# Altium PCB PCB1.PcbDoc
Units mil, origin at the board's own origin, x right, y up, seen from the top; angles counter-clockwise.
Board outline 3940.03 x 2600.03 mil, 2 copper layers (Top Layer, Bottom Layer); 112 components, 107 nets, 432 pads, 107 vias.
Unrouted connection lines stored in the file: 45.
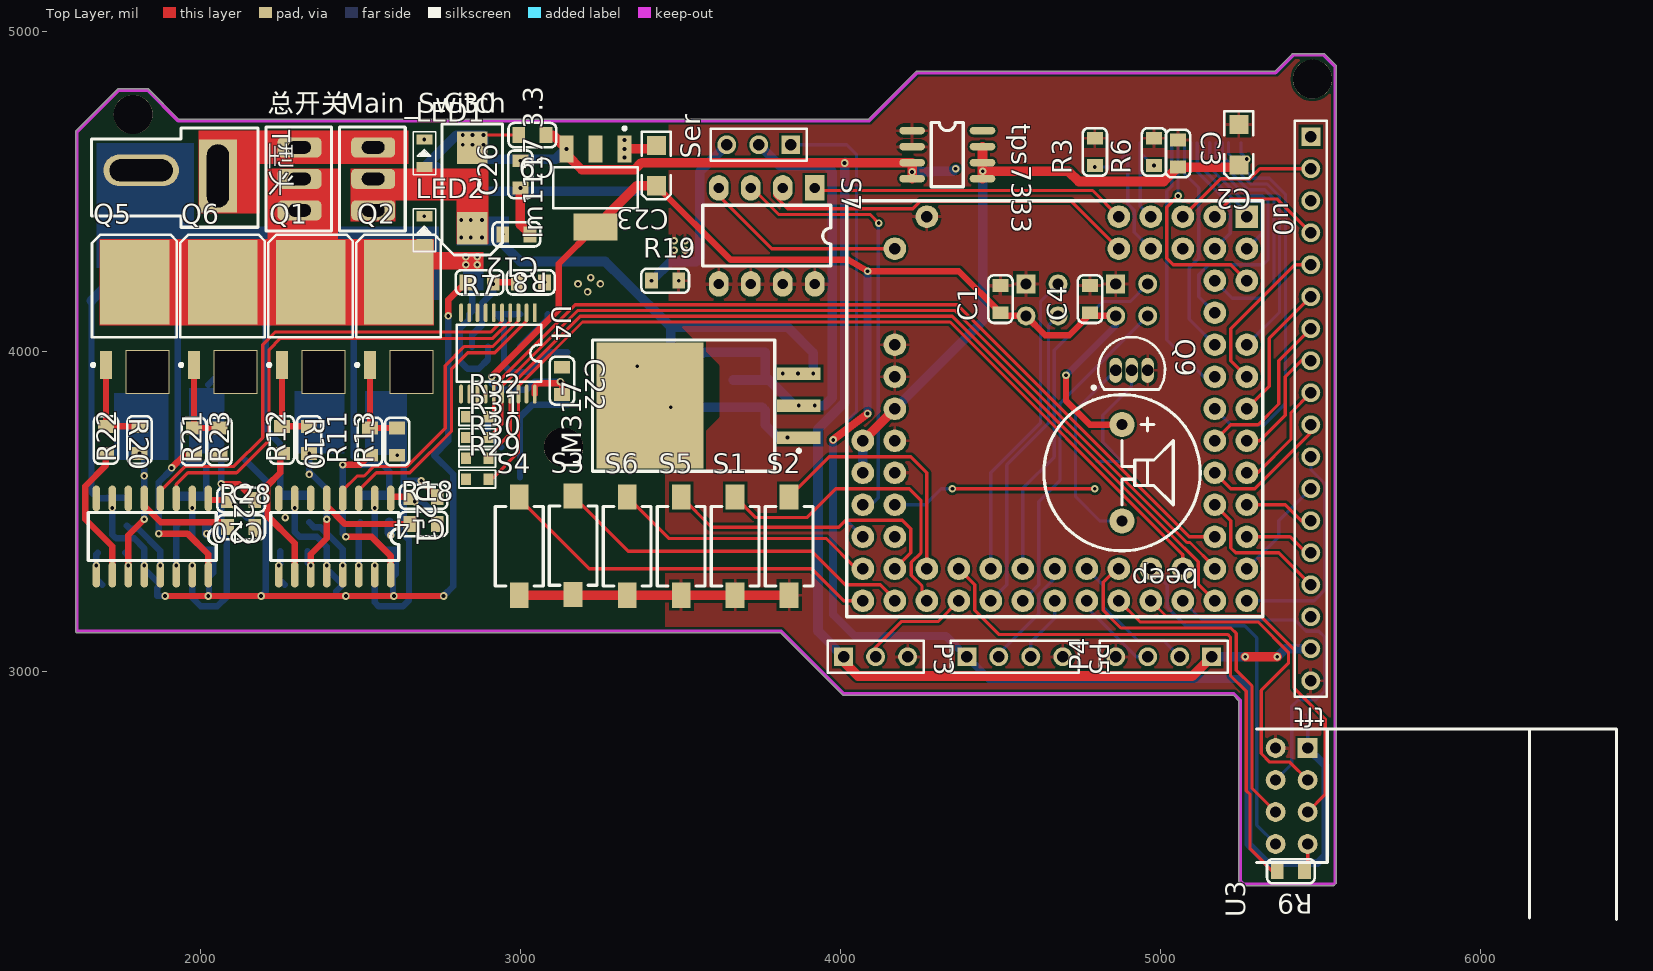
[diagram p0: Top Layer view]
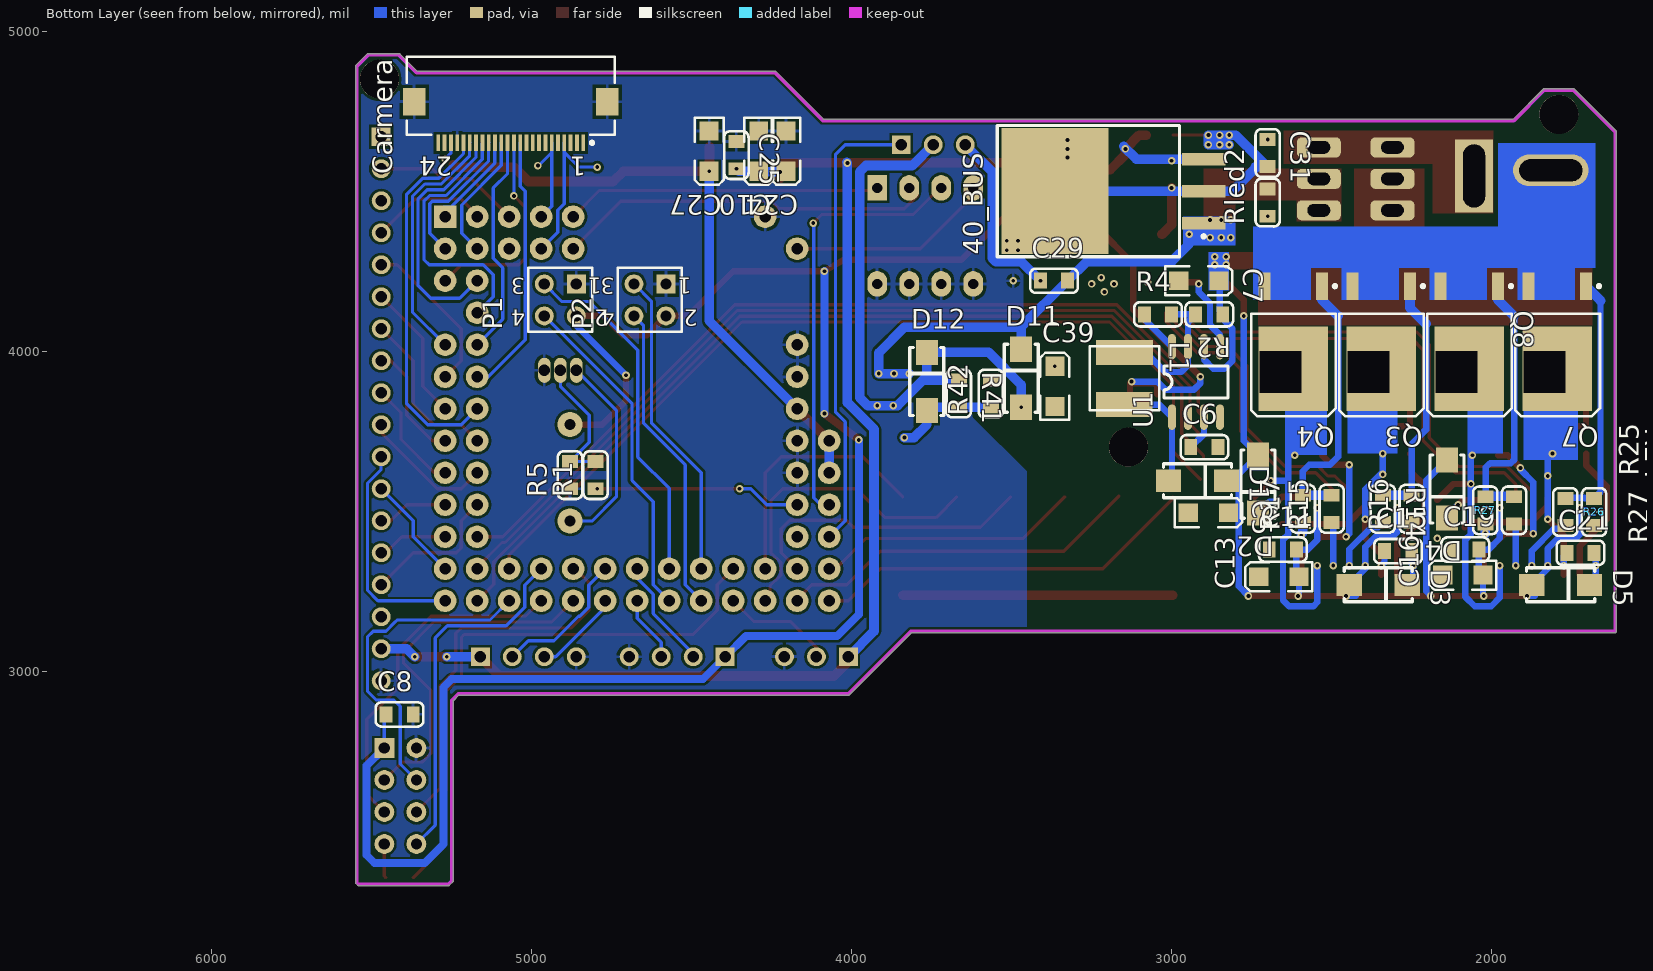
[diagram p1: Bottom Layer view, seen from below]

## Layer stack, top to bottom
Top Solder: solder mask 0.4, Solder Resist, Dk 3.5
Top Layer: signal copper 1.4
Dielectric 1: dielectric 12.6, FR-4, Dk 4.8
Bottom Layer: signal copper 1.4
Bottom Solder: solder mask 0.4, Solder Resist, Dk 3.5

## Board outline
1609.98,3125 1609.98,4685 cw(c1615,4685) 1611.47,4688.56 1611.45,4688.55 1741.45,4818.55 1741.44,4818.53 cw(c1745,4815) 1745,4820.02 1835,4820.02 cw(c1835,4815) 1838.56,4818.53 1838.55,4818.55 1932.08,4725.02 4087.92,4725.02 4236.45,4873.55 4236.44,4873.53 cw(c4240,4870) 4240,4875.02 5357.92,4875.02 5411.45,4928.55 5411.44,4928.53 cw(c5415,4925) 5415,4930.02 5510,4930.02 cw(c5510,4925) 5513.56,4928.53 5513.55,4928.55 5548.55,4893.55 5548.53,4893.56 cw(c5545,4890) 5550.02,4890 5550.02,2340 cw(c5545,2340) 5548.53,2336.44 5548.55,2336.45 5543.55,2331.45 5543.56,2331.47 cw(c5540,2335) 5540,2329.99 5260,2329.99 cw(c5260,2335) 5256.44,2331.47 5256.45,2331.45 5246.45,2341.45 5246.47,2341.44 cw(c5250,2345) 5244.98,2345 5244.98,2907.92 5227.92,2924.99 4010,2924.99 cw(c4010,2930) 4006.44,2926.47 4006.45,2926.45 3812.92,3119.99 1615,3119.99 cw(c1615,3125)

## Design rules (kind name [scope] priority, off if disabled: settings)
Clearance [All] p1: gap=4
ComponentClearance [All] p1: gap=6 collisioncheckmode=3 verticalgap=10 showdistances=FALSE
DiffPairsRouting [All] p1: maxlimit=10 minlimit=6 mostfreqgap=10 toplayer_minwidth=15 toplayer_maxwidth=15 toplayer_prefwidth=15 bottomlayer_minwidth=15 bottomlayer_maxwidth=15 bottomlayer_prefwidth=15 maxuncoupledlength=500
HoleSize [All] p1: absolutevalues=TRUE maxlimit=300 minlimit=1 maxpercent=80.000 minpercent=20.000
HoleToHoleClearance [All] p1: gap=6 allowstackedmicrovias=TRUE
MinimumSolderMaskSliver [All] p1: minsoldermaskwidth=3
PolygonConnect [All] p1: connectstyle=Relief reliefconductorwidth=10 reliefentries=4 polygonreliefangle="90 Angle" airgapwidth=10
RoutingVias [All] p1: holewidth=28 width=50 viastyle="Through Hole" minholewidth=28 minwidth=50 maxholewidth=28 maxwidth=50
SilkToSilkClearance [All] p1: silktosilkclearance=6
SilkToSolderMaskClearance [IsPad] p1: minsilkscreentomaskgap=0 clearancetoexposedcopper=TRUE
SolderMaskExpansion [All] p1: expansion=4
Width [All] p1: maxlimit=30 minlimit=10 preferedwidth=30
23 further rules are at their usual default settings.

## Components (designator, comment, footprint, x,y, rotation, side; value= is the part's Value field where it differs from the comment)
40_BUS "LM2940" TO-263-3 3145,4500 r0 bottom
beep "Bell" bell 4880,3620 r270 top
C1 "Cap" 0805-0C 4500,4120 r90 top
C2 "" 3216-A-TA 5245,4645 r270 top
C3 "Cap" 0805-0C 5055,4660 r270 top
C4 "Cap" 0805-0C 4780,4120 r90 top
C5 "" 3216-A-TA 2885,3495 r180 bottom
C6 "104" 0805-0C 2940,3700 r180 bottom
C7 "" 3216-A-TA 2915,4220 r180 bottom
C8 "Cap" 0805-0C 5455,2865 r180 bottom
C9 "Cap" 0805-0C 3080,4675 r180 top
C10 "" 3216-A-TA 4290,4625 r270 bottom
C11 "104" 0805-0C 2695,3380 r180 bottom
C12 "Cap" 0805-0C 3030,4365 r180 top
C13 "10uF" 3216-A-TA 2665,3295 r0 bottom
C14 "Cap" 0805-0C 2740,3545 r180 top
C15 "Cap" 0805-0C 2335,3375 r180 bottom
C16 "10uF" 3216-A-TA 2090,3300 r0 bottom
C19 "104" 0805-0C 2125,3380 r180 bottom
C20 "Cap" 0805-0C 2170,3535 r180 top
C21 "Cap" 0805-0C 1765,3370 r180 bottom
C22 "100nF" 0805-0C 3130,3950 r270 top
C23 "" 3216-A-TA 3425,4580 r270 top
C24 "47uF" 3216-A-TA 4205,4625 r270 bottom
C25 "Cap" 0805-0C 4360,4655 r270 bottom
C26 "Cap" 0805-0C 3000,4510 r90 top
C27 "10uF" 3216-A-TA 4445,4625 r270 bottom
C29 "Cap" 0805-0C 3410,4220 r180 bottom
C30 "Cap Pol" C7343 2850,4510 r90 top
C31 "4.7k" 0805-0R 2700,4661.61 r270 bottom
C39 "" 3216-A-TA 3365,3890 r90 bottom
Carmera "CL586-0555-2" FH12A-24S-0.5SH 5065,4715 r0 bottom
D1 "D Schottky" DO-214 3010,3595 r180 bottom
D2 "D Schottky" DO-214 2730,3675 r270 bottom
D3 "D Schottky" DO-214 2445,3270 r180 bottom
D4 "D Schottky" DO-214 2140,3660 r270 bottom
D5 "D Schottky" DO-214 1875,3270 r180 bottom
D11 "D Schottky" DO-214 3470,3825 r90 bottom
D12 "D Schottky" DO-214 3765,3815 r90 bottom
L1 "Inductor" L5X5 3050,4015 r270 bottom
LED1 "LED" 0805LED2 2700,4575 r90 top
LED2 "LED" 0805LED2 2700,4335 r90 top
LM317 "LM317" TO-263-3 3625,3830 r180 top
"lm1117 3.3" "AMS1117-3.3" "SOT-223 - 3" 3235,4510 r180 top
Main_Switch "开关" 乒乓开关5mm 2540,4440 r90 top
P1 "Header 2X2" HDR2X2 4860,4210 r0 bottom
P2 "Header 2X2" HDR2X2 4580,4210 r0 bottom
P3 "Header 3" HDR1X3 4010,3045 r0 top
P4 "Header 4" HDR1X4 5160,3045 r180 top
P5 "Header 4" HDR1X4 4395,3045 r0 top
Q1 "MOSFET-N" to252 2345,4130 r90 top
Q2 "MOSFET-N" to252 2620,4130 r90 top
Q3 "MOSFET-N" to252 2345,4030 r270 bottom
Q4 "MOSFET-N" to252 2620,4030 r270 bottom
Q5 "MOSFET-N" to252 1795,4130 r90 top
Q6 "MOSFET-N" to252 2070,4130 r90 top
Q7 "MOSFET-N" to252 1795,4030 r270 bottom
Q8 "MOSFET-N" to252 2070,4030 r270 bottom
Q9 "NPN" TO-226-AA 4910,3940 r270 top
R1 "510" 0805-0R 4800,3570 r90 bottom
R2 "0.22R" 0805-0R 2840,4115 r0 bottom
R3 "150" 0805-0R 4795,4580 r90 top
R4 "180R" 0805-0R 3085,4115 r180 bottom
R5 "10k" 0805-0R 4880,3570 r90 bottom
R6 "150" 0805-0R 4980,4580 r90 top
R7 "10k" 0805-0R 2830,4215 r0 top
R8 "1.2k" 0805-0R 3075,4215 r180 top
R9 "10k" 0805-0R 5450,2375 r180 top
R10 "Res1" 0805-0R 2255,3765 r270 top
R11 "Res1" 0805-0R 2530,3675 r90 top
R12 "Res1" 0805-0R 2340,3680 r90 top
R13 "Res1" 0805-0R 2615,3675 r90 top
R14 "Res1" 0805-0R 2340,3550 r270 bottom
R15 "Res1" 0805-0R 2500,3465 r90 bottom
R16 "Res1" 0805-0R 2250,3465 r90 bottom
R17 "Res1" 0805-0R 2590,3465 r90 bottom
R18 "Res1" 0805-0R 2655,3460 r0 top
R19 "Res" 0805-0R 3410,4220 r0 top
R20 "Res1" 0805-0R 1705,3765 r270 top
R21 "Res1" 0805-0R 1980,3675 r90 top
R22 "Res1" 0805-0R 1810,3680 r90 top
R23 "Res1" 0805-0R 2060,3675 r90 top
R24 "Res1" 0805-0R 1770,3540 r270 bottom
R25 "Res1" 0805-0R 1930,3460 r90 bottom
R26 "Res1" 0805-0R 1680,3455 r90 bottom
R27 "Res1" 0805-0R 2020,3460 r90 bottom
R28 "Res1" 0805-0R 2085,3450 r0 top
R29 "Res2" 0603R 2865.43,3600 r0 top
R30 "Res2" 0603R 2865.43,3665 r0 top
R31 "Res2" 0603R 2865.43,3730 r0 top
R32 "Res2" 0603R 2865.43,3795 r0 top
R41 "240" 0805-0R 3665,3909.9 r270 bottom
R42 "10k" 0805-0R 3565,3825 r90 bottom
Rled2 "4.7k" 0805-0R 2700,4421.61 r90 bottom
S1 "Header 2" SW-SMD1 3671.28,3237.54 r90 top
S2 "Header 2" SW-SMD1 3840,3237.54 r90 top
S3 "Header 2" SW-SMD1 3165,3240 r90 top
S4 "Header 2" SW-SMD1 2996.39,3237.54 r90 top
S5 "Header 2" SW-SMD1 3502.56,3237.54 r90 top
S6 "Header 2" SW-SMD1 3333.83,3237.54 r90 top
S7 "SW DIP-4" DIP-8 3920,4560 r270 top
Ser "Header 3" HDR1X3 3845,4645 r180 top
tft "Header 18" HDR1X18 5470,4670 r270 top
tps7333 "TPS7333" sop8 4225,4690 r0 top
T型头 "Header 2" "T HEAD" 1815,4565 r0 top
u0 "Component_1" K60_100 5270,4420 r270 top
U1 "MC34063" sop8 3000,3795 r90 bottom
U2-1 "HIP4082" SOP-16 2595,3540 r270 top
U2-2 "HIP4082" SOP-16 2025,3540 r270 top
U3 "NRF24L01" NRF24L01 5360,2760 r180 top
U4 "74lvc245" TSSOP20 3045,4120 r270 top
总开关 "*" 乒乓开关5mm 2310,4440 r90 top

## Footprints (in the part's own frame and the unit in brackets; to place one, negate y for a bottom-side part, rotate by r counter-clockwise, add the part's x,y. Pads: shape width x height; smd on the part's side, far side on the other; paste and mask are expansions set on the pad)
0603R [mm]
  rect 0.762x0.9 smd: 1(-0.9,0)
  rect 0.8x0.9 smd: 2(0.9,0)
  silkscreen extent -1.45,-0.7 1.45,0.7, body extent -0.85,-0.4 0.85,0.4, height 0.56
0805-0C [mil]
  rect 40x50 smd: 1(0,0) 2(85,0)
  silkscreen extent -32,-38 117,38, body extent 3,-25 82,25, height 30
0805-0R [mil]
  rect 40x50 smd: 1(0,0) 2(85,0)
  silkscreen extent -32,-38 117,38, body extent 3,-25 82,25, height 30
0805LED2 [mm]
  rect 0.8x1.27 smd: 1(0,0) 2(2.2,0)
  silkscreen extent -0.6,-0.89 2.8,0.89, body extent 0.09,-0.62 2.11,0.64, height 1.1
3216-A-TA [mm]
  rect 1.524x1.5 smd: 1(1.6,0) 2(-1.6,0)
  silkscreen extent -2.67,-1.14 2.67,1.14, body extent -1.7,-0.79 1.7,0.89, height 1.71
bell [mm]
  round 2 hole 0.85: 1(-3.825,0) 2(3.825,0)
  silkscreen extent -6.2,-6.2 6.2,6.2, body extent -9.71,-6.13 5.75,5.87, height 9.65
C7343 [mm] "D型"
  rect 2.6x2.4 smd: 1(-3.202,0.007) 2(3.198,0.007)
  silkscreen extent -5.33,-2.39 5.08,2.41, body extent -3.65,-2.12 3.65,2.18, height 2.9
DIP-8 [mil]
  rect 80x62 / inner rect 100x50 / far side rect 80x62 hole 32: 1(50,0)
  oval 80x62 / inner oval 100x50 / far side oval 80x62 hole 32: 2(50,-100) 3(50,-200) 4(50,-300) 5(350,-300) 6(350,-200) 7(350,-100) 8(350,0)
  silkscreen extent 104,-350 294,50, body extent 37,-334 360,31, height 148
DO-214 [mm]
  rect 2x1.75 smd: 1(0,0) 2(4.6,0)
  silkscreen extent -0.4,-1.35 5,1.35, body extent -0.2,-1.34 4.91,1.33, height 2.12
FH12A-24S-0.5SH [mm]
  rect 0.3x1.3 smd: 1(-5.75,1.625) 2(-5.25,1.625) 3(-4.75,1.625) 4(-4.25,1.625) 5(-3.75,1.625) 6(-3.25,1.625) 7(-2.75,1.625) 8(-2.25,1.625) 9(-1.75,1.625) 10(-1.25,1.625) 11(-0.75,1.625) 12(-0.25,1.625) 13(0.25,1.625) 14(0.75,1.625) 15(1.25,1.625) 16(1.75,1.625) 17(2.25,1.625) 18(2.75,1.625) 19(3.25,1.625) 20(3.75,1.625) 21(4.25,1.625) 22(4.75,1.625) 23(5.25,1.625) 24(5.75,1.625)
  rect 1.8x2.2 smd: 25(-7.65,-1.625) 26(7.65,-1.625)
  silkscreen extent -8.25,-5.2 8.25,1.75
HDR1X3 [mm] "Connector; Header; 3 Position"
  rect 1.5x1.5 hole 0.9: 1(0,0)
  round 1.5 hole 0.9: 2(2.54,0) 3(5.08,0)
  silkscreen extent -1.27,-1.27 6.35,1.27, body extent -1.27,-1.32 6.35,1.22, height 8.54
HDR1X4 [mm] "Connector; Header; 4 Position"
  rect 1.5x1.5 hole 0.9: 1(0,0)
  round 1.5 hole 0.9: 2(2.54,0) 3(5.08,0) 4(7.62,0)
  silkscreen extent -1.27,-1.27 8.89,1.27, body extent -1.26,-1.27 8.9,1.27, height 8.54
HDR1X18 [mm] "Connector; Header; 18 Position"
  rect 1.5x1.5 hole 0.9: 1(0,0)
  round 1.5 hole 0.9: 2(2.54,0) 3(5.08,0) 4(7.62,0) 5(10.16,0) 6(12.7,0) 7(15.24,0) 8(17.78,0) 9(20.32,0) 10(22.86,0) 11(25.4,0) 12(27.94,0) 13(30.48,0) 14(33.02,0) 15(35.56,0) 16(38.1,0) 17(40.64,0) 18(43.18,0)
  silkscreen extent -1.27,-1.27 44.45,1.27, body extent -1.27,-1.27 44.45,1.27, height 8.54
HDR2X2 [mm] "Connector; Header; 2x2 Position"
  rect 1.5x1.5 hole 0.9: 1(0,0)
  round 1.5 hole 0.9: 2(0,2.54) 3(2.54,0) 4(2.54,2.54)
  silkscreen extent -1.27,-1.27 3.81,3.81
K60_100 [mm]
  round 1.8 hole 0.9: 3.3V(15.24,-27.94) 3.3V(17.78,-30.48) 3.3V(20.32,-30.48) A4(22.86,-30.48) A5(22.86,-27.94) A12(25.4,-30.48) A13(25.4,-27.94) A14(27.94,-30.48) A15(27.94,-27.94) A16(30.48,-30.48) A17(30.48,-27.94) A19(27.94,-22.86) B0(27.94,-25.4) B1(30.48,-25.4) B2(27.94,-20.32) B3(30.48,-22.86) B9(27.94,-17.78) B10(30.48,-20.32) B11(30.48,-17.78) B16(27.94,-15.24) B17(30.48,-15.24) B18(27.94,-12.7) B19(30.48,-12.7) B20(30.48,-10.16) B21(27.94,-10.16) B22(30.48,-7.62) B23(27.94,-7.62) C0(30.48,-5.08) C1(27.94,-5.08) C2(30.48,-2.54) C3(27.94,-2.54) C4(25.4,-2.54) C5(22.86,-2.54) C6(25.4,0) C7(22.86,0) C8(27.94,0) C9(30.48,0) C10(20.32,-2.54) C11(20.32,0) C12(17.78,0) C13(17.78,-2.54) C14(15.24,0) C15(12.7,0) C16(15.24,-2.54) C17(10.16,0) D0(12.7,-2.54) D1(5.08,0) D2(10.16,-2.54) D3(2.54,-2.54) D5(2.54,0) D6(7.62,-2.54) D7(5.08,-2.54) E0(0,-2.54) E1(2.54,-5.08) E2(0,-5.08) E3(2.54,-7.62) E4(0,-7.62) E5(2.54,-10.16) E6(0,-10.16) E26(2.54,-27.94) GND(0,-25.4) GND(10.16,-27.94) GND(12.7,-27.94) GND(17.78,-27.94) GND(20.32,-27.94)
  rect 1.8x1.8 hole 0.9: D4(0,0)
  silkscreen extent -1.27,-31.75 31.75,1.27
L5X5 [mil]
  rect 78.74x177.17 smd: 1(19,-97) 2(182,-98)
  silkscreen extent 0,-206 200,11, body extent 3,-193 195,-1, height 114
NRF24L01 [mil]
  round 62 hole 35: 1(0,0) 3(0,100) 4(-100,100) 5(0,200) 6(-100,200) 7(0,300) 8(-100,300)
  rect 62x62 hole 35: 2(-100,0)
  silkscreen extent -1065,-59 59,535
sop8 [mil]
  oval 80x24 smd: 1(-1,-1) 2(-1,-51) 3(-1,-101) 4(-1,-151) 5(219,-151) 6(219,-101) 7(219,-51) 8(219,-1)
  silkscreen extent 59,-176 159,24, body extent -9,-174 229,24, height 63
SOP-16 [mil]
  oval 80x24 smd: 1(0,0) 2(0,-50) 3(0,-100) 4(0,-150) 5(0,-200) 6(0,-250) 7(0,-300) 8(0,-350) 9(238.5,-350) 10(238.5,-300) 11(238.5,-250) 12(238.5,-200) 13(238.5,-150) 14(238.5,-100) 15(238.5,-50) 16(238.5,0)
  silkscreen extent 44,-375 194,25
"SOT-223 - 3" [mm] "SOT-223/SC-73; 4 Leads; Body 6.7 x 7.3 mm, inc. leads (LxW max)"
  rect 1.1x2.15 smd: 1(-2.3,-3.1) 2(0,-3.1) 3(2.3,-3.1)
  rect 3.5x2.15 smd: 2(0,3.1)
  silkscreen extent -3.35,-4.85 3.35,1.63, body extent -3.25,-3.58 3.25,3.38, height 1.65
SW-SMD1 [mm]
  rect 2x1.5 smd: 1(0,0) 2(7.8,0)
  silkscreen extent 0.73,-1.9 7.03,1.9, body extent -0.06,-1.94 7.83,1.91, height 2.5
"T HEAD" [mm]
  oval 6x2.5 hole 1.75 slot 5 at 0 deg: 1(0,0)
  rect 3x5.8 hole 1.75 slot 5 at 90 deg: 2(6.096,-0.446)
  silkscreen extent -3.94,-4.51 9.27,3.36
to252 [mm] "D-PAK  / SOT-428"
  rect 2.2x0.95 smd: 1(-4.4,2.28) 3(-4.4,-2.28)
  rect 6.7x5.5 smd: 2(2.15,0)
  silkscreen extent -4.52,-3.35 5.94,3.43, body extent -4.47,-3.3 4.78,3.3, height 2.31
TO-226-AA [mm] "TO, Flat Index; 3 In-Line, Axial Leads; Body Dia. 4.8mm; Leads 0.55 x 0.51 mm (max)"
  oval 2x1 hole 0.9: 1(0,-1.27) 2(0,0) 3(0,1.27)
  silkscreen extent -2.65,-3.13 1.52,2.65, body extent -2.66,-2.66 1.52,2.66, height 5.33
TO-263-3 [mm] "D2PAK936"
  rect 3.45x1 smd: 1(-6.225,2.54) 2(-6.225,0) 3(-6.225,-2.54)
  rect 8.5x10 smd: 2(5.588,0)
  silkscreen extent -6.35,-5.21 10.16,5.21, body extent -6.82,-5.05 8.85,4.95, height 4.88
TSSOP20 [mm]
  rect 1.5x0.3 smd: 1(0,0)
  oval 1.5x0.3 smd: 2(0,-0.65) 3(0,-1.3) 4(0,-1.95) 5(0,-2.6) 6(0,-3.25) 7(0,-3.9) 8(0,-4.55) 9(0,-5.2) 10(0,-5.85) 11(6.454,-5.85) 12(6.454,-5.2) 13(6.454,-4.55) 14(6.454,-3.9) 15(6.454,-3.25) 16(6.454,-2.6) 17(6.454,-1.95) 18(6.454,-1.3) 19(6.454,-0.65) 20(6.454,0)
  silkscreen extent 0.97,-6.2 5.49,0.51, body extent -0.05,-6.22 6.5,0.38, height 1.2
乒乓开关5mm [mm]
  rrect50% 1.6x3.5 hole 1 slot 1.8 at 90 deg: 1(5,0) 2(2.5,0) 3(0,0)
  silkscreen extent -1.65,-2.54 6.6,2.67

## Part data
beep: "Electrical Bell"
C1 C3 C4 C8 C9 C12 C14 C15 C20 C21 C25 C26 C29: "Capacitor"
C2 C5 C7 C10 C23 C30 C39: library part Cap, "Polarized Capacitor (Radial)"
C6: library part 普通电容, "Capacitor"
C11 C13 C16 C19: library part C
C22: library part Cap, "Capacitor"
C24 C27: library part C, "有极性电容"
C31 R1 R3 R5 R6 Rled2: library part Res
Carmera: "FH12 Series, \"Flip-Lock\" SMT/ZIF FFC/FPC Connector - 0.5mm Spaced Top Contact"
D1 D2 D3 D4 D5 D11 D12: "Schottky Diode"
LED1 LED2: "发光二极管"
"lm1117 3.3": library part AMS1117
Main_Switch 总开关: library part 乒乓开关
P1 P2: "Header, 2-Pin, Dual row"
P3 Ser: "Header, 3-Pin"
P4 P5: "Header, 4-Pin"
Q1 Q2 Q3 Q4 Q5 Q6 Q7 Q8: "N-Channel MOSFET"
Q9: "NPN Bipolar Transistor"
R2 R4 R7 R8 R9 R41 R42: library part RES
R10 R11 R12 R13 R14 R15 R16 R17 R18 R19 R20 R21 R22 R23 R24 R25 R26 R27 R28 R29 R30 R31 R32: "Resistor"
S1 S2 S3 S4 S5 S6 T型头: "Header, 2-Pin"
S7: "DIP Switch, 4 Position, SPST"
tft: "Header, 18-Pin"
U1 U2-1 U2-2: library part Component_1

## Free pads (board coordinates)
  round 122.05 hole 122.05: 0(1790,4740) 1(5475,4850) 3(3135,3700)
  rect 137.8x137.8 hole 129.92 square: 4(1835,3935) 5(2110,3935) 6(2385,3935) 7(2660,3935)

## Via types
v1: diameter 23.62, hole 11.81, Top Layer to Bottom Layer, 107 vias

## Nets (pads, with @x,y where several pads share a name; then routed paths per layer and width w, separated by ;. In a path a pad name is that pad's centre, name@x,y a point inside that pad or via, vN(x,y) a via of type N, cw(c..) or ccw(c..) an arc to the next point about the centre after c; other vN are vias at no path point)
3.3V_BUS: "lm1117 3.3.2" beep.1 C1.1 C4.1 C8.1 C22.2 C23.1 P1.2 P2.2 P5.1 U3.2 U4.20 | length 7195.6
  Top Layer w20: v1(2910,3920) 3120,4130 3120,4272.95 3235,4387.95 ; U4.20 3045,3890 3055,3900 3130,3900 C22.2 ; C23.1 3657.01,4285 4025,4285 v1(4085,4250) 4370,4250 C1.1 4510,4110 P2.2 4640,4050 4715,4050 4780,4115 C4.1 4790,4110 P1.2 ; v1(4705,3925) 4705,3845 4779.41,3770.59 beep.1
  Top Layer w25: v1(3977.5,3722.5) v1(4085,3805)
  Top Layer w30: 3235,4387.95 3364.06,4517.01 C23.1 ; 3235,4632.05 3235,4638
  Bottom Layer w10: C8.1 5460,2860 U3.2
  Bottom Layer w20: v1(2910,3920) 2910,3900 2930,3880 3020,3880 3045,3905 v1(3125,3905) ; v1(4705,3925) 4860,4080 P1.2
  Bottom Layer w25: v1(3977.5,3722.5) 3977.5,3177.5 4045,3110 4330,3110 P5.1 4465,2975 5250,2975 5275.5,2949.5 5275.5,2459.5 5335,2400 5490,2400 5515,2425 5515,2705 U3.2 ; v1(4085,3805) v1(4085,4250)
3.3V_MCU_IN: C2.1 C3.2 C27.1 Carmera.22 tps7333.5 tps7333.6 tps7333.7 u0.3.3V | length 2090.6
  Top Layer w30: u0.3.3V@4070,3720 u0.3.3V@4170,3820 ; tps7333.5 tps7333.6 tps7333.7 ; v1(4445,4562.01) 4712.99,4562.01 4745,4530 5010,4530 C3.2 5237.99,4575 C2.1
  Bottom Layer w10: Carmera.22 5252.01,4617.99 v1(5270,4600)
  Bottom Layer w30: u0.3.3V@4070,3620 u0.3.3V@4070,3720 ; u0.3.3V@4170,3820 4445,4095 v1(4445,4562.01)
5V_BUS: 40_BUS.3 "lm1117 3.3.3" C9.1 C10.1 C24.1 C25.2 C26.2 P3.1 P4.1 tft.17 tps7333.3 tps7333.4 | length 4807.6
  Top Layer w30: C9.1 3101.5,4675 v1(3144.45,4632.05) 3144.45,4614 3191.72,4566.72 3356.73,4566.72 3379.01,4589 tps7333.3 tps7333.4 ; P3.1 4010,3030 4055,2985 5100,2985 P4.1 ; v1(5265,3045) v1(5365,3045)
  Bottom Layer w30: 40_BUS.3 3110,4600 v1@3150,4640 ; P3.1 3930,3125 3930,3756.26 4013,3839.26 v1(4013,4588) v1@4015,4590 ; v1(4224,4560) 4287.99,4560 C10.1 4352.01,4562.01 v1(4360,4570) ; P4.1 v1(5265,3045) ; v1(5365,3045) 5390,3070 tft.17
  other v1: 3000,4595
5V_SER: C39.1 D11.1 D12.2 LM317.2 R41.1 Ser.2 | length 1821.5
  Bottom Layer w30: v1(3470,3825) 3470,3895 3571.1,3996.1 D12.2 3765,3921.35 3776.45,3909.9 ; R41.1 3776.45,3909.9 ; Ser.2 3810,4580 3955,4580 3975,4560 3975,3855 3950,3830 3856.35,3830 3776.45,3909.9
  other v1: 3870,3830 3920,3830 3365,3952.99
BATTERY7.2: Main_Switch.1 T型头.2 总开关.1
D0: Carmera.11 u0.D0 | length 820.1
  Bottom Layer w10: Carmera.11 5035.47,4515.47 5020,4500 5020,4035 5135,3920 u0.D0
D1: Carmera.12 u0.D1 | length 654.9
  Top Layer w10: v1(5055,4485) 5020,4450 5020,4290 5040,4270 5220,4270 u0.D1
  Bottom Layer w10: v1(5055,4485) 5055,4515 5055.16,4514.84 Carmera.12
D2: Carmera.13 u0.D2 | length 695.3
  Bottom Layer w10: Carmera.13 5074.84,4555.16 5120,4510 5120,4290 5090,4260 5090,4100 u0.D2
D3: Carmera.14 u0.D3 | length 402.4
  Bottom Layer w10: Carmera.14 5094.53,4580.47 5218.43,4456.57 5218.43,4368.43 u0.D3
D4: Carmera.15 u0.D4 | length 312.7
  Bottom Layer w10: Carmera.15 5114.99,4650.24 5114.99,4587.73 5252.72,4450 5275,4450 5275,4425 u0.D4
D5: Carmera.16 u0.D5 | length 457.4
  Bottom Layer w10: Carmera.16 5134.68,4650.24 5134.68,4593.5 5259.74,4468.43 5310.82,4468.43 5318.43,4460.82 5318.43,4368.43 u0.D5
D6: Carmera.17 u0.D6 | length 845.7
  Bottom Layer w10: Carmera.17 5154.36,4650.24 5154.36,4599.27 5267.2,4486.43 5318.27,4486.43 5336.43,4468.27 5336.43,4286.43 5320,4270 5151.51,4270 5120,4238.49 5120,4170 u0.D6
D7: Carmera.18 u0.D7 | length 775.1
  Bottom Layer w10: u0.D7 5225,4165 5315,4165 5354.43,4204.43 5354.43,4475.73 5325.73,4504.43 5274.66,4504.43 5174.05,4605.04 5174.05,4650.24 Carmera.18
DB0: tft.12 u0.C8 | length 332.8
  Bottom Layer w10: u0.C8 5370,3420 5370,3470 tft.12
DB1: tft.11 u0.C9 | length 691.2
  Bottom Layer w10: u0.C9 5480.14,3220 5512.53,3252.38 5512.53,3587.62 5470,3630.14 tft.11
DB2: tft.10 u0.C10 | length 418.2
  Top Layer w10: u0.C10 5220,3570 5295,3570 5470,3745 tft.10
DB3: tft.9 u0.C11 | length 352.4
  Top Layer w10: u0.C11 5303.46,3620 5408,3724.54 5408,3808 tft.9
DB4: tft.8 u0.C12 | length 373.8
  Top Layer w10: u0.C12 5310,3720 5390,3800 5390,3920 5440,3970 tft.8
DB5: tft.7 u0.C13 | length 524.1
  Top Layer w10: u0.C13 5220,3770 5305,3770 5370,3835 5370,3970 tft.7
DB6: tft.6 u0.C14 | length 432.8
  Top Layer w10: u0.C14 5340,3890 5340,4040 tft.6
DB7: tft.5 u0.C15 | length 503.6
  Top Layer w10: u0.C15 5220,3970 5220,4070 5420,4270 tft.5
GE1: U2-1.3 U4.2 | length 908.2
  Top Layer w10: U2-1.3 2495,3565 2550,3620 2654.5,3620 2785,3750.5 2785,3945 2835,3995 2920,3995 3019.41,4094.41 U4.2
GE2: U2-1.4 U4.3 | length 933.7
  Top Layer w10: U2-1.4 2445,3565 2490,3610 2511.72,3610 2541.72,3640 2646.21,3640 2765,3758.79 2765,3955 2825,4015 2914.54,4015 2993.82,4094.27 U4.3
GE3: U2-2.3 U4.4 | length 1490.1
  Top Layer w10: U2-2.3 1925,3583.8 1961.2,3620 2113.28,3620 2215,3721.72 2215,4004.86 2250.14,4040 2914.09,4040 2968.23,4094.14 U4.4
GE4: U2-2.4 U4.5 | length 1505.9
  Top Layer w10: U2-2.4 1875,3562.08 1952.92,3640 2105,3640 2195,3730 2195,4020 2235,4060 2908.63,4060 2942.64,4094.01 U4.5
GND: C5.2 C6.2 C7.2 C11.1 C13.1 C16.1 C19.1 C22.1 C29.1 C39.2 Q3.3 Q4.3 Q7.3 Q8.3 R8.1 R16.1 R17.1 R18.2 R19.1 R26.1 R27.1 R28.2 R29.1 R30.1 R31.1 R32.1 R42.2 Rled2.2 Ser.3 T型头.1 U1.2 U1.4 U2-1.6 U2-1.8 U2-2.6 U2-2.8 U4.1 U4.6 U4.7 U4.8 U4.9 U4.10 U4.11 U4.12 U4.13 U4.14 U4.19 | length 638.3
  Bottom Layer w30: v1(2020,3430) R27.1 ; R17.1 2590,3433 v1@2595,3428 ; v1(3410,4220) 3470.15,4280.15 3550.15,4280.15 3560,4290 3560,4560 Ser.3
  other v1: 2170,3415 2595,3425 2265,3480 3210,4185 3180,4210 3250,4210 3075,4215 3220,4230
GND_MCU_IN: 40_BUS.2 "lm1117 3.3.1" C1.2 C2.2 C3.1 C4.2 C8.2 C9.2 C10.2 C12.1 C23.2 C24.2 C25.1 C26.1 C27.2 C30.2 C31.2 Carmera.21 Carmera.25 Carmera.26 P1.1 P2.1 P3.3 P4.4 P5.4 Q9.3 R3.2 R5.1 R6.2 R19.2 S1.1 S2.1 S3.1 S4.1 S5.1 S6.1 S7.5 S7.6 S7.7 S7.8 tft.18 tps7333.1 tps7333.2 u0.GND U3.1 | length 2229.1
  Top Layer w10: C30.2@2888.82,4675 C9.2
  Top Layer w30: S4.1 S6.1 S5.1 S1.1 S2.1 ; v1(3000,4510) 3000,4395 C12.1 ; v1(3325.55,4632.05) 3411.06,4632.05 C23.2@3422,4642.99
  Bottom Layer w30: C31.2 2738.39,4576.61 ; C31.2@2701.61,4576.61 2800,4675 v1(2820,4675) v1(2850,4675) v1(2885,4675) v1(2885,4645) v1(2820,4645) ; 2733.39,4576.61 2810,4500 2899.92,4500 40_BUS.2@3365,4500
  other v1: 3495,4220 3480,4315 3515,4315 3480,4345 3515,4345 3325,4605 2850,4645 3325,4660
KEY_A: S6.2 u0.A14 | length 829.2
  Top Layer w10: S6.2 3463.46,3415 3955,3415 4050,3320 u0.A14
KEY_B: S5.2 u0.A15 | length 922.3
  Top Layer w10: S5.2 3597.19,3450 3995,3450 4016.57,3471.57 4193.43,3471.57 4220,3445 4220,3370 u0.A15
KEY_C: S4.2 u0.A16 | length 1211.6
  Top Layer w10: S4.2 2996.39,3538.61 3215,3320 3910,3320 4010,3220 u0.A16
KEY_D: S3.2 u0.A17 | length 1143.4
  Top Layer w10: S3.2 3337.09,3375 3910,3375 4015,3270 4125,3270 4170,3225 u0.A17
KEY_E: S2.2 u0.B0 | length 802.6
  Top Layer w10: S2.2 3965.37,3670 4220,3670 4270,3620 u0.B0
KEY_F: S1.2 u0.B1 | length 1005.8
  Top Layer w10: S1.2 3735.91,3480 3895,3480 3985,3570 4215,3570 4252,3533 4252,3370.49 4221.57,3340.06 4221.57,3299.94 4255,3266.51 4255,3235 u0.B1
MAIN_7.2: 40_BUS.1 C12.2 C29.2 C30.1 D11.2 LED1.1 LM317.3 Main_Switch.2 Main_Switch.3 | length 1369.7
  Bottom Layer w30: v1(2945,4365) 2945,4335 3000,4280 3265,4280 C29.2 3470,4075 ; D11.2 3470,4075 ; v1(3820,3930) v1(3915,3930) 3915,3995 3835,4075 3470,4075
  other v1: 3867.5,3930 2815,4355 2845,4355 2880,4355 2815,4410 2845,4410 2880,4410
NetBeep_2: beep.2 Q9.1 | length 623.1
  Bottom Layer w10: Q9.1 4735,3815 4735,3545 4810.59,3469.41 beep.2
NetC6_1: C6.1 U1.3 | length 111
  Bottom Layer w20: U1.3 2899,3741 C6.1
NetC14_1: C14.1 pad.7 Q2.3 Q4.2 R13.1 U2-1.15 | length 1135.8
  Top Layer w20: v1(2690,3595) C14.1
  Bottom Layer w20: v1(2545,3330) 2545,3215 2556.81,3203.19 2633.19,3203.19 2652.01,3222.01 2652.01,3411.28 2635,3428.28 2635,3595 ; pad.7@2660,3980 2635,3955 2635,3595 ; v1(2690,3595) 2635,3595
  other v1: 2615,3675
NetC14_2: C14.2 D2.2 U2-1.1 | length 158.2
  Top Layer w20: U2-1.1 2600,3545 C14.2 v1(2670,3530)
  Bottom Layer w20: v1(2670,3530) 2693.9,3530 D2.2
NetC15_1: C15.1 pad.6 Q1.3 Q3.2 R12.1 U2-1.11 | length 558.1
  Top Layer w20: U2-1.11 v1(2345,3330) 2345,3365 2395,3415 v1(2395,3475)
  Bottom Layer w20: C15.1 2335,3340 v1(2345,3330) ; 2345,3760 2340,3755 v1(2340,3615) 2348.28,3615 2395,3568.28 v1(2395,3475)
  other v1: 2340,3680
NetC15_2: C15.2 D3.2 U2-1.9 | length 114.9
  Bottom Layer w20: C15.2 2250,3335 v1(2245,3330) 2245,3288.9 D3.2
NetC20_1: C20.1 pad.5 Q6.3 Q8.2 R23.1 U2-2.15 | length 1198.4
  Top Layer w20: v1(2065,3585) 2120,3585 C20.1
  Bottom Layer w20: v1(1975,3330) 1975,3230 2001.81,3203.19 2053.19,3203.19 2082.01,3232.01 2082.01,3411.28 2065,3428.28 pad.5@2065,3935 ; Q8.2@2025,3895 pad.5@2065,3935 ; Q8.2 2065,3940.35 pad.5@2065,3935 ; pad.5@2110,3980 pad.5@2065,3935
  other v1: 2060,3675
NetC20_2: C20.2 D4.2 U2-2.1 | length 160.3
  Top Layer w20: U2-2.1 2030,3535 C20.2 2090,3535 v1(2105,3520)
  Bottom Layer w20: v1(2105,3520) 2146.1,3478.9 D4.2@2160,3478.9
NetC21_1: C21.1 pad.4 Q5.3 Q7.2 R22.1 U2-2.11 | length 473.4
  Top Layer w20: U2-2.11 v1(1775,3330) 1775,3425 v1(1825,3475)
  Bottom Layer w20: C21.1 1775,3360 v1(1775,3330) ; v1(1825,3475) v1(1825,3610) 1825,3710
  other v1: 1810,3680
NetC21_2: C21.2 D5.2 U2-2.9 | length 109.9
  Bottom Layer w20: C21.2 1675,3365 v1(1675,3330) 1675,3288.9 D5.2
NetC31_1: C31.1 LED1.2
  other v1: 2700,4661.61
NetD1_1: D1.1 L1.2 U1.1 | length 353.2
  Bottom Layer w20: D1.1@2999,3606 U1.1 3038,3833 L1.2
NetD12_1: D12.1 LM317.1 R41.2 R42.1 | length 335.7
  Bottom Layer w30: R42.1 3565.1,3824.9 R41.2 3755.1,3824.9 D12.1 3765,3770 3805,3730 v1(3835,3730)
NetL1_1: L1.1 R2.2 R4.2 U1.7 | length 475.9
  Bottom Layer w20: R4.2 R2.2 2949,4091 U1.7 2949,3956 2970,3935 3020,3935 3081,3996 L1.1
NetLED2_2: LED2.2 Rled2.1
  other v1: 2700,4421.61
NetQ1_2: Q1.1 R10.1 R12.2 | length 276.4
  Top Layer w20: R10.1 2255.24,3765.24 Q1.1 ; R10.1@2255.47,3765 R12.2
NetQ2_2: Q2.1 R11.2 R13.2 | length 281.4
  Top Layer w20: R11.2 2530,3956.54 Q2.1 ; R11.2@2530.47,3760 R13.2
NetQ3_2: Q3.1 R14.1 R16.2 | length 782.7
  Bottom Layer w20: 2205,4085 2205,3755 2250,3710 R16.2
  Bottom Layer w30: 2205,4085 2255.24,4135.24 Q3.1 ; R16.2 R14.1
NetQ4_2: Q4.1 R15.2 R17.2 | length 847.7
  Bottom Layer w20: 2480,4110 2480,3670 2505,3645 2570,3645 2590,3625 R17.2
  Bottom Layer w30: 2480,4110 2530.24,4160.24 Q4.1 ; R15.2 R17.2
NetQ5_2: Q5.1 R20.1 R22.2 | length 296.4
  Top Layer w20: R20.1 1705.24,3765.24 Q5.1 ; R20.1@1705.47,3765 R22.2
NetQ6_2: Q6.1 R21.2 R23.2 | length 276.4
  Top Layer w20: Q6.1 1980.24,3760.24 1980.47,3760 R23.2
NetQ7_2: Q7.1 R24.1 R26.2 | length 782.8
  Bottom Layer w20: 1660,4157.99 1660,3615 1660,3560 R26.2 1710.01,3540 1710.01,3541.81 1768.19,3541.81 R24.1
  Bottom Layer w30: 1660,4157.99 Q7.1
NetQ8_2: Q8.1 R25.2 R27.2 | length 841.8
  Bottom Layer w20: 1930,4110 1930,3660 1940,3650 2005,3650 2018.19,3636.81 R27.2@2018.19,3546.81
  Bottom Layer w30: R25.2 1930,3546.81 R27.2@2018.19,3546.81 ; 1930,4110 1980.24,4160.24 Q8.1
NetQ9_2: Q9.2 R1.2 R5.2 | length 427.1
  Bottom Layer w10: R1.2 R5.2 4820,3715 4820,3800 4910,3890 Q9.2
NetR4_1: R4.1 U1.8 | length 136.6
  Bottom Layer w20: U1.8 3085,4100 R4.1
NetR7_2: R7.2 R8.2 U1.5 | length 298.3
  Top Layer w20: R7.2 R8.2
  Bottom Layer w20: U1.5 2849,4050.72 2880,4081.72 2880,4150 2915,4185 v1(2915,4210)
NetR9_1: R9.1 U3.8 | length 107.1
  Top Layer w10: R9.1@5455,2355 5460,2360 U3.8
NetR10_2: R10.2 U2-1.10 | length 432.4
  Top Layer w20: R10.2 2250,3675 2250,3620 2210,3580 2210,3485 2295,3400 U2-1.10
NetR11_1: R11.1 U2-1.16 | length 549.9
  Top Layer w20: v1(2445,3645) 2500,3645 R11.1 ; v1(2455,3420) 2535,3420 2595,3360 U2-1.16
  Bottom Layer w20: v1(2445,3645) 2445,3430 v1(2455,3420)
NetR14_2: R14.2 U2-1.13 | length 190.6
  Bottom Layer w20: R14.2 2355,3450 2375.71,3450 2445,3380.71 v1(2445,3330)
NetR15_1: R15.1 U2-1.14 | length 137.1
  Bottom Layer w20: v1(2495,3330) 2495,3460 R15.1
NetR18_1: R18.1 U2-1.5 | length 306.8
  Top Layer w20: U2-1.5 2395,3516.75 2451.75,3460 R18.1
NetR20_2: R20.2 U2-2.10 | length 440.6
  Top Layer w20: R20.2 1705,3643.25 1640,3578.25 1640,3475 1725,3390 U2-2.10
NetR21_1: R21.1 U2-2.16 | length 553.6
  Top Layer w20: v1(1870,3430) 1960,3430 2025,3365 U2-2.16 ; v1(1910,3635) 1950,3675 R21.1
  Bottom Layer w20: v1(1870,3430) 1870,3590 1910,3630 v1(1910,3635)
NetR24_2: R24.2 U2-2.13 | length 183.6
  Bottom Layer w20: R24.2 1780,3445 1805.71,3445 1875,3375.71 v1(1875,3330)
NetR25_1: R25.1 U2-2.14 | length 132.1
  Bottom Layer w20: v1(1925,3330) 1925,3455 R25.1
NetR28_1: R28.1 U2-2.5 | length 310.9
  Top Layer w20: U2-2.5 1825,3516.75 1876.75,3465 2070,3465 R28.1
NRF_CE: u0.C0 U3.3 | length 1032.1
  Bottom Layer w10: u0.C0 5130,3160 5420,3160 5427.47,3152.53 5427.47,3152.38 5454.86,3125 5495,3125 5512.53,3107.47 5512.53,2937.53 5485,2910 5430,2910 5410,2890 5410,2710 U3.3
NRF_CS: u0.B20 U3.4 | length 1127.7
  Top Layer w10: u0.B20 4936.43,3153.57 5305.98,3153.57 5400,3059.54 5400,3025 5315,2940 5315,2742.77 5341.77,2716 5404,2716 U3.4
NRF_IRQ: R9.2 u0.A19 | length 1798.1
  Top Layer w10: u0.A19 4420,3270 4420,3190 4495,3115 5210,3115 5219,3106 5219,2986 5268,2937 5268,2626.54 5280,2614.54 5280,2445 R9.2@5370,2355
NRF_MISO: u0.B23 U3.7 | length 1129
  Bottom Layer w10: u0.B23 5021.57,3268.43 5021.57,3199.94 5079.51,3142 5263,3142 5301,3104 5301,2519 U3.7
NRF_MOSI: u0.B22 U3.6 | length 1081.3
  Top Layer w10: u0.B22 5017.5,3172.5 5049.01,3172.5 5049.94,3171.57 5313.43,3171.57 5418,3067 5418,2947 5515,2850 5515,2615 U3.6
NRF_SCK: u0.B21 U3.5 | length 1208.3
  Top Layer w10: u0.B21 4863.13,3320 4821.57,3278.43 4821.57,3190 4876.57,3135 5220,3135 5237,3118 5237,3003 5286,2954 5286,2634 U3.5
PTA4: S7.3 u0.A4 | length 1387
  Top Layer w10: S7.3@3695,4510 3723.77,4510 3806.77,4427 4093,4427 v1(4120,4400)
  Bottom Layer w10: u0.A4 4096.87,3520 4118.43,3541.57 4118.43,4398.43 v1(4120,4400)
PTA5: R1.1 u0.A5 | length 645.7
  Top Layer w10: v1(4350,3570) v1(4795,3570)
  Bottom Layer w10: u0.A5 4265,3520 4315,3570 v1(4350,3570)
PTA12: Ser.1 u0.A12 | length 1445.6
  Bottom Layer w10: Ser.1 4020,4645 4050,4615 4050,3808.94 4020,3778.94 4020,3470 u0.A12
PTB2: P2.3 u0.B2 | length 977
  Bottom Layer w10: u0.B2 4470,3620 4625,3775 4625,4155 P2.3
PTB3: P3.2 u0.B3 | length 350.1
  Top Layer w10: P3.2 4110,3075 4190,3155 4305,3155 u0.B3
PTB9: P1.3 u0.B9 | length 1101.3
  Bottom Layer w10: u0.B9 4570,3571.09 4668,3669.09 4668,4003 4820,4155 4905,4155 P1.3
PTB10: P2.4 u0.B10 | length 977
  Bottom Layer w10: u0.B10 4520,3270 4520,3644.54 4650,3774.54 4650,4080 P2.4
PTB11: P1.4 u0.B11 | length 1051.5
  Bottom Layer w10: u0.B11 4620,3270 4620,3529.63 4686,3595.63 4686,3836 P1.4
PTB16: P5.2 u0.B16 | length 347.5
  Bottom Layer w10: P5.2 4495,3055 4620,3180 4620,3240 4670,3290 u0.B16
PTB17: P5.3 u0.B17 | length 206.1
  Bottom Layer w10: P5.3 4595,3090 4670,3165 u0.B17
PTB18: P4.2 u0.B18 | length 444
  Bottom Layer w10: u0.B18 4821.57,3268.43 4821.57,3199.94 4849.94,3171.57 4853.43,3171.57 4930,3095 5010,3095 P4.2
PTB19: P4.3 u0.B19 | length 274.2
  Bottom Layer w10: u0.B19 4770,3200 4925,3045 P4.3
PTC1: R29.2 u0.C1 U4.18 | length 2830.3
  Top Layer w10: R29.2@2910,3600 2993.82,3683.82 U4.18 2993.82,3890.68 3194.14,4091 4342.63,4091 5067.63,3366 5069,3366 5070,3365 u0.C1
PTC2: R30.2 u0.C2 U4.17 | length 2955.3
  Top Layer w10: R30.2 2900.87,3674.41 2968.23,3741.77 U4.17 2968.23,3890.68 3186.55,4109 4350.09,4109 5075.09,3384 5076.46,3384 5118.43,3342.02 5118.43,3271.57 u0.C2
PTC3: R31.2 u0.C3 U4.16 | length 2840.1
  Top Layer w10: R31.2 2942.64,3771.77 U4.16 2942.64,3890.68 3178.96,4127 4357.54,4127 5082.54,3402 5092.4,3402 5170,3324.4 u0.C3
PTC4: R32.2 u0.C4 U4.15 | length 2761
  Top Layer w10: R32.2 2917.05,3811.18 U4.15 2917.05,3890.68 3171.37,4145 4365,4145 5090,3420 u0.C4
PTC5: tft.15 u0.C5 | length 453.3
  Top Layer w10: u0.C5 5220,3470 5220,3385 5235,3370 5370,3370 tft.15
PTC6: tft.14 u0.C6 | length 220.7
  Top Layer w10: u0.C6 5405,3420 5455,3370 tft.14
PTC7: tft.13 u0.C7 | length 220.7
  Top Layer w10: u0.C7 5390,3520 5440,3470 tft.13
PTC16: Carmera.20 u0.C16 | length 1187.4
  Bottom Layer w10: u0.C16 5220,3770 5325,3770 5390.43,3835.43 5390.43,4490.64 5340.64,4540.43 5289.57,4540.43 5212.64,4617.36 Carmera.20
PTC17: Carmera.19 u0.C17 | length 777.7
  Bottom Layer w10: Carmera.19 5193.73,4650.24 5193.73,4610.81 5282.11,4522.43 5333.19,4522.43 5372.43,4483.19 5372.43,4122.43 u0.C17
PTE0: tft.4 u0.E0 | length 369.2
  Top Layer w10: u0.E0 5170,4425 5220,4475 5365,4475 tft.4
PTE2: tft.2 u0.E2 | length 462.1
  Top Layer w10: u0.E2 5189.01,4539.01 5279.91,4539.01 5310.9,4570 tft.2
PTE3: Carmera.4 R3.1 u0.E3 | length 512.8
  Bottom Layer w10: v1(4795,4575) 4851.85,4575 4896.9,4620.05 4896.9,4650.24 Carmera.4 4897.68,4460.82 4918.43,4440.06 4918.43,4371.57 u0.E3
PTE4: Carmera.6 R6.1 u0.E4 | length 334.7
  Bottom Layer w10: u0.E4 4937.05,4452.95 Carmera.6 4937.83,4650.24 4937.83,4620.05 4977.87,4580 v1(4980,4580)
PTE5: S7.1 u0.E6 | length 1017
  Top Layer w10: S7.1@3895,4510 3895,4502 4788,4502 u0.E6
PTE6: S7.2 u0.E5 | length 1187.8
  Top Layer w10: S7.2@3795,4510 3795,4485 3835,4445 4226.51,4445 4249.94,4468.43 4721.57,4468.43 u0.E5
PTE26: S7.4 u0.E26 | length 653.7
  Top Layer w10: S7.4@3595,4510 3785,4320 u0.E26
SWITCH_7.2: C7.1 LED2.1 Q1.2 Q2.2 Q5.2 Q6.2 R2.1 U1.6 总开关.2 总开关.3 | length 418.8
  Bottom Layer w20: C7.1 2850,4217.99 2850,4125 R2.1 2840,4100 2810,4070 2810,3970 2835,3945 2870,3945 2899,3974 U1.6
  other v1: 2830,4270 2865,4270 2830,4295 2865,4295
VCC20: C5.1 C11.2 C13.2 C16.2 C19.2 D1.2 D2.1 D3.1 D4.1 D5.1 R7.1 U2-1.2 U2-1.7 U2-1.12 U2-2.2 U2-2.7 U2-2.12 | length 3843.5
  Top Layer w20: v1(1890,3235) v1(2025,3235) v1(2190,3235) v1(2455,3235) v1(2605,3235) v1(2760,3235) ; v1(2775,4110) 2775,4160 R7.1
  Bottom Layer w20: v1(1725,3510) 1725,3426.72 1736.72,3415 1793.28,3415 1825,3383.28 v1(1825,3330) 1825,3320 D5.1 1865,3260 1865,3235 v1(1890,3235) ; v1(1975,3510) 1975,3415 2010,3380 C19.2 2040,3307.99 C16.2@2032.01,3300 ; v1(2025,3235) 2027.01,3237.01 C16.2 ; D4.1 2205,3595 2204.53,3594.53 2204.53,3249.53 v1(2190,3235) ; v1(2295,3510) 2295,3435 2310,3420 2363.28,3420 2395,3388.28 v1(2395,3330) 2395,3320 D3.1 2425,3250 2425,3235 v1(2455,3235) ; v1(2545,3510) 2545,3410 2575,3380 C11.2 2610,3302.99 C13.2 2602.01,3237.99 v1(2605,3235) ; v1(2760,3235) 2790,3265 2790,3615 D2.1 2775,3720 v1(2775,4110)
pads on no net: Carmera.1 Carmera.2 Carmera.3 Carmera.5 Carmera.7 Carmera.8 Carmera.9 Carmera.10 Carmera.23 Carmera.24 tft.1 tft.3 tft.16 tps7333.8 u0.A13 u0.E1

## Polygon pours and split planes (outlines as drawn)
GND on Keep-Out Layer "Top Layer-No Net" (solid, remove dead copper): 3610,3705 3610,2895 3575,2860 3500,2935 1390,2935 1390,4855 1310,4935 1485,4760 3450,4760 3450,4110 3590,3970 3620,3970
GND_MCU_IN on Bottom Layer "Top Layer-No Net" (solid, remove dead copper, pour order 35): 3440,3060 3440,3630 3610,3800 3610,3950 3450,4110 3450,4890 5220,4890 5415,5085 5800,4700 5800,2205 5180,2205 5125,2150
GND_MCU_IN on Top Layer "Top Layer-No Net" (solid, remove dead copper, pour order 37): 3445,3070 3440,3075 3440,3630 3610,3800 3610,3950 3450,4110 3450,5125 5565,5125 5660,5030 5640,5010 5640,2145 5315,2145 5300,2130

## Keep-outs
Keep-Out Layer:
  lines w10: 5540,2335 5260,2335 5250,2345 5250,2910 5230,2930 4010,2930 3815,3125 1615,3125 1615,3535 1615,4685 1745,4815 1835,4815 1930,4720 4090,4720 4240,4870 5360,4870 5415,4925 5510,4925 5545,4890 5545,2340

## Other copper
Top Layer:
  rectangle net SWITCH_7.2: 2690,4255 2885,4310
  rectangle net MAIN_7.2: 2800,4335 2900,4570
  rectangle net MAIN_7.2: 2585,4470 2900,4570
  rectangle net MAIN_7.2: 2470,4405 2610,4570
  rectangle net BATTERY7.2: 1995,4430 2185,4690
  rectangle net SWITCH_7.2: 1685,4080 2730,4350
  rectangle net SWITCH_7.2: 2210,4305 2430,4570
  rectangle net BATTERY7.2: 2160,4585 2650,4690
Bottom Layer:
  rectangle net MAIN_7.2: 2800,4330 2965,4420
  rectangle net SWITCH_7.2: 2820,4190 2885,4310
  rectangle net GND: 1740,4160 1920,4380
  rectangle net GND: 2015,4160 2195,4380
  rectangle net GND: 2290,4160 2470,4380
  rectangle net GND: 2565,4160 2745,4380
  rectangle net GND: 1675,4380 1980,4650
  rectangle net GND: 1675,4260 2745,4390
  rectangle net NetC21_1: 1730,3660 1900,3870
  rectangle net NetC20_1: 1965,3680 2070,3885
  rectangle net NetC15_1: 2295,3680 2450,3875
  rectangle net NetC14_1: 2515,3675 2645,3875

## Silkscreen, mask and mechanical layers (free items; w line width, h text height)
Top Solder:
  rectangle: 2165,4585 2650,4690
  rectangle: 1995,4430 2185,4690
  rectangle: 2210,4260 2430,4570
  rectangle: 1680,4080 2730,4350
Bottom Solder:
  rectangle: 2515,3675 2645,3810
  rectangle: 2295,3680 2450,3810
  rectangle: 1965,3680 2075,3810
  rectangle: 1730,3660 1900,3810
  rectangle: 2565,4160 2745,4260
  rectangle: 2290,4160 2470,4260
  rectangle: 2015,4160 2195,4260
  rectangle: 1740,4160 1920,4260
  rectangle: 1955,4260 2745,4390
  rectangle: 1675,4260 1980,4650

## Text inside footprints (layer, text, board x,y; h text height)
Carmera: Bottom Overlay "24" at 5248.07,4607.72 h59.06 r180; Bottom Overlay "1" at 4828.78,4607.72 h59.06 r180
P1: Bottom Overlay "3" at 5020,4230 h50 r180; Bottom Overlay "4" at 5020,4130 h50 r180; Bottom Overlay "2" at 4760,4130 h50 r180; Bottom Overlay "1" at 4780,4230 h50 r180
P2: Bottom Overlay "3" at 4740,4230 h50 r180; Bottom Overlay "4" at 4740,4130 h50 r180; Bottom Overlay "2" at 4480,4130 h50 r180; Bottom Overlay "1" at 4500,4230 h50 r180